# KiCad board alpha29.kicad_pcb
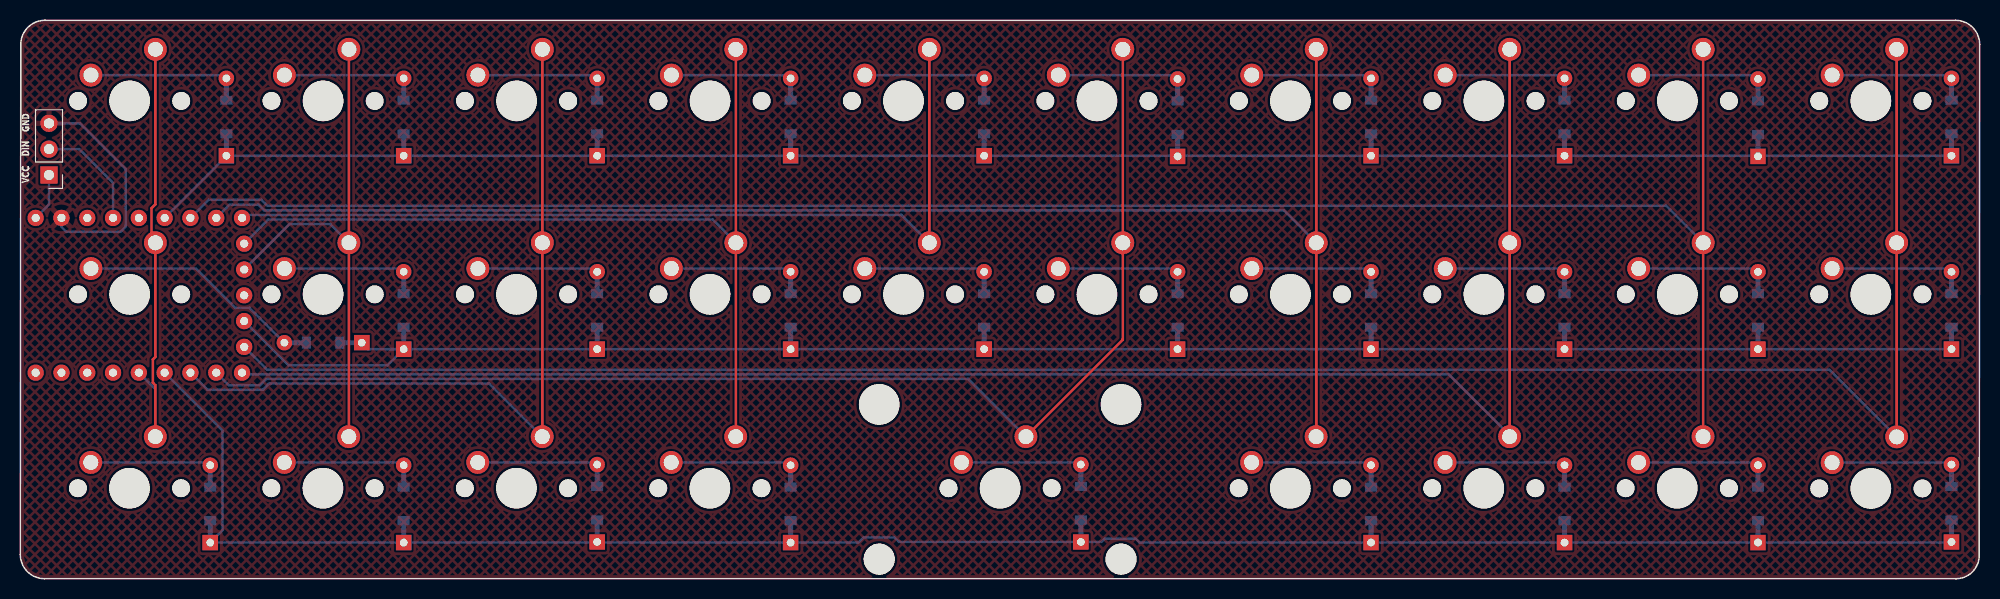
[diagram p0: board, top side]
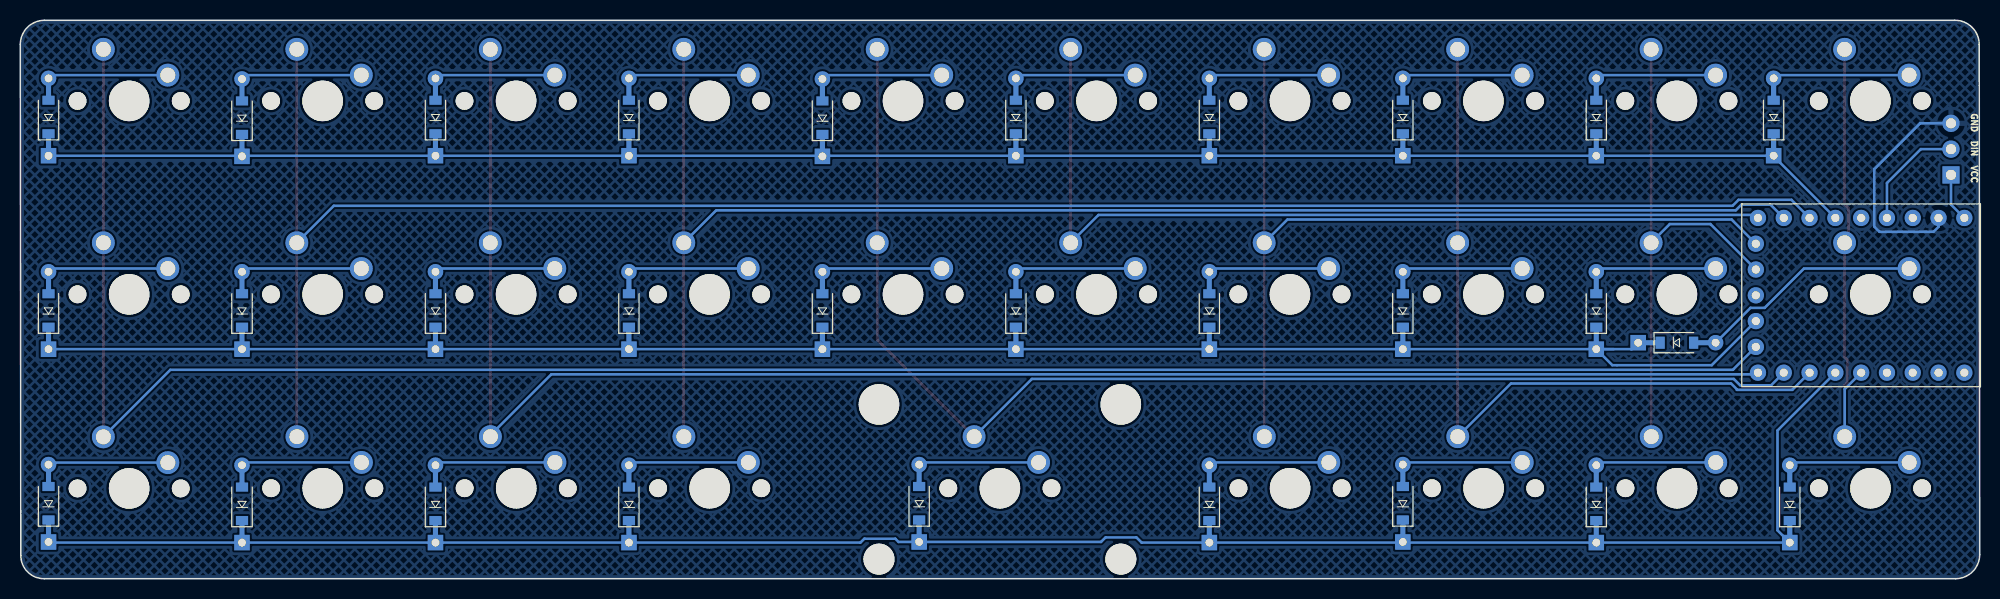
[diagram p1: board, bottom side, seen from below]

Outline 192.93 x 54.99 mm; copper layers: Top, Bottom. Coordinates in mm from the lower left corner of the outline.
Outline path: 0.05,52.61 0,2.38 arc(0.7,0.7) 2.38,0 190.6,0 arc(192.21,0.67) 192.88,2.29 192.93,52.61 arc(192.23,54.29) 190.55,54.99 2.43,54.99 arc(0.75,54.29) 0.05,52.61

## Placement (name value [footprint] x y rotation side)
D1  D  [ComboDiode]  20.29 45.47 90 top
D2  D  [ComboDiode]  37.75 45.47 90 top
D3  D  [ComboDiode]  56.8 45.47 90 top
D4  D  [ComboDiode]  75.85 45.47 90 top
D5  D  [ComboDiode]  94.9 45.47 90 top
D6  D  [ComboDiode]  113.95 45.4 90 top
D7  D  [ComboDiode]  133 45.47 90 top
D8  D  [ComboDiode]  152.05 45.47 90 top
D9  D  [ComboDiode]  171.1 45.4 90 top
D10  D  [ComboDiode]  190.15 45.47 90 top
D11  D  [ComboDiode]  29.81 23.24 180 top
D12  D  [ComboDiode]  37.75 26.42 90 top
D13  D  [ComboDiode]  56.8 26.42 90 top
D14  D  [ComboDiode]  75.85 26.42 90 top
D15  D  [ComboDiode]  94.9 26.42 90 top
D16  D  [ComboDiode]  113.95 26.42 90 top
D17  D  [ComboDiode]  133 26.42 90 top
D18  D  [ComboDiode]  152.05 26.42 90 top
D19  D  [ComboDiode]  171.1 26.42 90 top
D20  D  [ComboDiode]  190.15 26.42 90 top
D21  D  [ComboDiode]  18.7 7.37 90 top
D22  D  [ComboDiode]  37.75 7.37 90 top
D23  D  [ComboDiode]  56.8 7.43 90 top
D24  D  [ComboDiode]  75.85 7.37 90 top
D25  D  [ComboDiode]  104.43 7.43 90 top
D26  D  [ComboDiode]  133 7.37 90 top
D27  D  [ComboDiode]  152.05 7.37 90 top
D28  D  [ComboDiode]  171.1 7.37 90 top
D29  D  [ComboDiode]  190.15 7.43 90 top
J1  Conn_01x03  [Pin_Header_Straight_1x03_Pitch2.54mm]  2.83 39.77 180 top
K1  KEYSW  [MXOnly-1U-NoLED]  10.76 47.05 0 top
K2  KEYSW  [MXOnly-1U-NoLED]  29.81 47.05 0 top
K3  KEYSW  [MXOnly-1U-NoLED]  48.86 47.05 0 top
K4  KEYSW  [MXOnly-1U-NoLED]  67.91 47.05 0 top
K5  KEYSW  [MXOnly-1U-NoLED]  86.96 47.05 0 top
K6  KEYSW  [MXOnly-1U-NoLED]  106.01 47.05 0 top
K7  KEYSW  [MXOnly-1U-NoLED]  125.06 47.05 0 top
K8  KEYSW  [MXOnly-1U-NoLED]  144.11 47.05 0 top
K9  KEYSW  [MXOnly-1U-NoLED]  163.16 47.05 0 top
K10  KEYSW  [MXOnly-1U-NoLED]  182.21 47.05 0 top
K11  KEYSW  [MXOnly-1U-NoLED]  10.76 28 0 top
K12  KEYSW  [MXOnly-1U-NoLED]  29.81 28 0 top
K13  KEYSW  [MXOnly-1U-NoLED]  48.86 28 0 top
K14  KEYSW  [MXOnly-1U-NoLED]  67.91 28 0 top
K15  KEYSW  [MXOnly-1U-NoLED]  86.96 28 0 top
K16  KEYSW  [MXOnly-1U-NoLED]  106.01 28 0 top
K17  KEYSW  [MXOnly-1U-NoLED]  125.06 28 0 top
K18  KEYSW  [MXOnly-1U-NoLED]  144.11 28 0 top
K19  KEYSW  [MXOnly-1U-NoLED]  163.16 28 0 top
K20  KEYSW  [MXOnly-1U-NoLED]  182.21 28 0 top
K21  KEYSW  [MXOnly-1U-NoLED]  10.75 8.91 0 top
K22  KEYSW  [MXOnly-1U-NoLED]  29.8 8.91 0 top
K23  KEYSW  [MXOnly-1U-NoLED]  48.85 8.91 0 top
K24  KEYSW  [MXOnly-1U-NoLED]  67.9 8.91 0 top
K25  KEYSW  [MXOnly-2U-ReversedStabilizers-NoLED]  96.48 8.91 0 top
K26  KEYSW  [MXOnly-1U-NoLED]  125.05 8.91 0 top
K27  KEYSW  [MXOnly-1U-NoLED]  144.1 8.91 0 top
K28  KEYSW  [MXOnly-1U-NoLED]  163.15 8.91 0 top
K29  KEYSW  [MXOnly-1U-NoLED]  182.21 8.89 0 top
RZ1  -  [RP2040-Zero]  23.42 36.91 270 bottom

## Footprints (pads in the part's own frame, mm; a bottom-side part is the same pattern mirrored in y, then rotated)
ComboDiode
  rect 1.524x1.524 hole 0.762: 1(-3.81,0)
  rect 1.524x0.5 smd far side: 1(-2.54,0) 2(2.54,0)
  rect 0.9x1.2 smd far side: 1(-1.65,0) 2(1.65,0)
  round 1.524 hole 0.762: 2(3.81,0)
MXOnly-1U-NoLED
  round 1.75 hole 1.75 unplated: (-5.08,0) (5.08,0)
  round 3.988 hole 3.988 unplated: (0,0)
  round 2.25 hole 1.47: 1(-3.81,2.54) 2(2.54,5.08)
MXOnly-2U-ReversedStabilizers-NoLED
  round 3.988 hole 3.988 unplated: (-11.906,8.255) (0,0) (11.906,8.255)
  round 3.048 hole 3.048 unplated: (-11.906,-6.985) (11.906,-6.985)
  round 1.75 hole 1.75 unplated: (-5.08,0) (5.08,0)
  round 2.25 hole 1.47: 1(-3.81,2.54) 2(2.54,5.08)
Pin_Header_Straight_1x03_Pitch2.54mm
  rect 1.7x1.7 hole 1: 1(0,0)
  oval 1.7x1.7 hole 1: 2(0,-2.54) 3(0,-5.08)
RP2040-Zero
  round 1.6 hole 0.8: 1(16.62,21.91) 2(16.62,19.37) 3(16.62,16.83) 4(16.62,14.29) 5(16.62,11.75) 6(16.62,9.21) 7(16.62,6.67) 8(16.62,4.13) 9(16.62,1.59) 10(14.08,1.38) 11(11.54,1.38) 12(9,1.38) 13(6.46,1.38) 14(3.92,1.38) 15(1.38,1.59) 16(1.38,4.13) 17(1.38,6.67) 18(1.38,9.21) 19(1.38,11.75) 20(1.38,14.29) 21(1.38,16.83) 22(1.38,21.91) 23(1.38,19.37)

## Nets
+3V3: RZ1.21
+5V: J1.1 RZ1.22
GND: J1.3 RZ1.23
/col0: K1.2 K11.2 K21.2 RZ1.5
/col1: K2.2 K12.2 K22.2 RZ1.13
/col2: K3.2 K13.2 K23.2 RZ1.7
/col3: K4.2 K14.2 K24.2 RZ1.14
/col4: K5.2 K15.2 RZ1.15
/col5: K6.2 K16.2 K25.2 RZ1.8
/col6: K7.2 K17.2 K26.2 RZ1.16
/col7: K8.2 K18.2 K27.2 RZ1.9
/col8: K9.2 K19.2 K28.2 RZ1.17
/col9: K10.2 K20.2 K29.2 RZ1.10
/row0: D1.1 D2.1 D3.1 D4.1 D5.1 D6.1 D7.1 D8.1 D9.1 D10.1 RZ1.18
/row1: D11.1 D12.1 D13.1 D14.1 D15.1 D16.1 D17.1 D18.1 D19.1 D20.1 RZ1.11
/row2: D21.1 D22.1 D23.1 D24.1 D25.1 D26.1 D27.1 D28.1 D29.1 RZ1.6
RGB: J1.2 RZ1.20
Net-(D1-Pad2): D1.2 K1.1
Net-(D2-Pad2): D2.2 K2.1
Net-(D3-Pad2): D3.2 K3.1
Net-(D4-Pad2): D4.2 K4.1
Net-(D5-Pad2): D5.2 K5.1
Net-(D6-Pad2): D6.2 K6.1
Net-(D7-Pad2): D7.2 K7.1
Net-(D8-Pad2): D8.2 K8.1
Net-(D9-Pad2): D9.2 K9.1
Net-(D10-Pad2): D10.2 K10.1
Net-(D11-Pad2): D11.2 K11.1
Net-(D12-Pad2): D12.2 K12.1
Net-(D13-Pad2): D13.2 K13.1
Net-(D14-Pad2): D14.2 K14.1
Net-(D15-Pad2): D15.2 K15.1
Net-(D16-Pad2): D16.2 K16.1
Net-(D17-Pad2): D17.2 K17.1
Net-(D18-Pad2): D18.2 K18.1
Net-(D19-Pad2): D19.2 K19.1
Net-(D20-Pad2): D20.2 K20.1
Net-(D21-Pad2): D21.2 K21.1
Net-(D22-Pad2): D22.2 K22.1
Net-(D23-Pad2): D23.2 K23.1
Net-(D24-Pad2): D24.2 K24.1
Net-(D25-Pad2): D25.2 K25.1
Net-(D26-Pad2): D26.2 K26.1
Net-(D27-Pad2): D27.2 K27.1
Net-(D28-Pad2): D28.2 K28.1
Net-(D29-Pad2): D29.2 K29.1

Pads without a net: RZ1 1 2 3 4 12 19

## Routing (per net, layer and track width the routed paths; a pad name or vN(x,y) marks a point on that pad's centre or on a via; arc(x,y) is an arc through that point)
+5V: length 4.8
  Bottom w0.25: RZ1.22 2.83,36.84 J1.1
GND: length 22.7
  Bottom w0.25: J1.3 5.86,44.85 10.38,40.32 10.38,34.67 9.87,34.16 4.54,34.16 4.05,34.65 RZ1.23
/col0: length 45.6
  Top w0.25: K21.2 13.29,19.06 13.05,19.3 13.05,21.59 13.3,21.84 K11.2 12.92,33.46 12.92,36.49 13.3,36.87 K1.2
  Bottom w0.25: K21.2 13.29,18.67 RZ1.5
/col1: length 51.1
  Top w0.25: K2.2 32.35,14
  Bottom w0.25: K12.2 30.51,34.93 26.52,34.93 RZ1.13
/col2: length 75.9
  Top w0.25: K3.2 K13.2 51.4,14 K23.2
  Bottom w0.25: RZ1.7 18.44,18.6 23.91,18.6 23.91,18.66 24.48,19.22 46.16,19.22 K23.2
/col3: length 88.5
  Top w0.25: K4.2 70.45,14 K24.2
  Bottom w0.25: RZ1.14 24.43,35.38 68.16,35.38 K14.2
/col4: length 88
  Top w0.25: K5.2 K15.2
  Bottom w0.25: K15.2 86.76,35.83 22.13,35.83 RZ1.15
/col5: length 124.9
  Top w0.25: K6.2 K16.2 108.55,23.53 K25.2
  Bottom w0.25: RZ1.8 20.53,19.05 23.59,19.05 24.21,19.67 93.32,19.67 99.01,13.99 K25.2
/col6: length 148.6
  Top w0.25: K7.2 127.6,14 K26.2
  Bottom w0.25: K17.2 124.41,36.28 24.02,36.28 23.46,36.83 20.59,36.83 RZ1.16
/col7: length 165.6
  Top w0.25: K8.2 146.65,14 K27.2
  Bottom w0.25: K27.2 146.64,14.12 140.64,20.12 22,20.12 RZ1.9
/col8: length 189.6
  Top w0.25: K9.2 165.7,14 K28.2
  Bottom w0.25: RZ1.17 18.54,37.31 23.74,37.31 24.33,36.73 162.06,36.73 K19.2
/col9: length 204.5
  Top w0.25: K10.2 K29.2
  Bottom w0.25: K29.2 178.15,20.57 24.3,20.57 RZ1.10
/row0: length 178.5
  Bottom w0.25: RZ1.18 20.29,41.61 D1.1 D10.1
/row1: length 176.7
  Bottom w0.25: D12.1 36.17,21.02 26.39,21.02 RZ1.11 ; D12.1 36.04,22.61 ; D12.1 34.26,22.61 D11.1 ; D12.1 D13.1 D20.1
/row2: length 191.7
  Bottom w0.25: 190.09,3.56 D26.1 110.2,3.56 109.82,3.94 106.78,3.94 106.46,3.62 D25.1 86.52,3.62 86.07,4.06 83.03,4.06 82.52,3.56 D24.1 D21.1 19.91,4.76 19.91,14.59 RZ1.6
RGB: length 11.1
  Bottom w0.25: RZ1.20 9.13,38.97 5.8,42.31 J1.2
Net-(D1-Pad2): length 13.5
  Bottom w0.25: K1.1 19.97,49.59 D1.2
Net-(D2-Pad2): length 11.9
  Bottom w0.25: K2.1 37.43,49.59 D2.2
Net-(D3-Pad2): length 11.9
  Bottom w0.25: K3.1 56.48,49.59 D3.2
Net-(D4-Pad2): length 11.9
  Bottom w0.25: K4.1 75.53,49.59 D4.2
Net-(D5-Pad2): length 11.9
  Bottom w0.25: K5.1 94.58,49.59 D5.2
Net-(D6-Pad2): length 11.9
  Bottom w0.25: D6.2 113.57,49.59 K6.1
Net-(D7-Pad2): length 11.9
  Bottom w0.25: K7.1 132.68,49.59 D7.2
Net-(D8-Pad2): length 11.9
  Bottom w0.25: K8.1 151.73,49.59 D8.2
Net-(D9-Pad2): length 11.9
  Bottom w0.25: K9.1 170.72,49.59 D9.2
Net-(D10-Pad2): length 11.9
  Bottom w0.25: K10.1 189.83,49.59 D10.2
Net-(D11-Pad2): length 22.1
  Bottom w0.25: D11.2 22.57,26.67 21.18,26.67 17.3,30.54 K11.1
Net-(D12-Pad2): length 11.9
  Bottom w0.25: K12.1 37.43,30.54 37.75,30.23
Net-(D13-Pad2): length 11.9
  Bottom w0.25: K13.1 56.48,30.54 56.8,30.23
Net-(D14-Pad2): length 11.9
  Bottom w0.25: K14.1 75.53,30.54 75.85,30.23
Net-(D15-Pad2): length 11.9
  Bottom w0.25: K15.1 94.58,30.54 94.9,30.23
Net-(D16-Pad2): length 11.9
  Bottom w0.25: K16.1 113.63,30.54 113.95,30.23
Net-(D17-Pad2): length 11.9
  Bottom w0.25: 133,30.23 132.68,30.54 K17.1
Net-(D18-Pad2): length 11.9
  Bottom w0.25: K18.1 151.73,30.54 152.05,30.23
Net-(D19-Pad2): length 11.9
  Bottom w0.25: K19.1 170.78,30.54 171.1,30.23
Net-(D20-Pad2): length 11.9
  Bottom w0.25: K20.1 189.83,30.54 190.15,30.23
Net-(D21-Pad2): length 11.9
  Bottom w0.25: D21.2 18.43,11.45 K21.1
Net-(D22-Pad2): length 11.9
  Bottom w0.25: K22.1 37.48,11.45 D22.2
Net-(D23-Pad2): length 11.8
  Bottom w0.25: K23.1 56.59,11.45 D23.2
Net-(D24-Pad2): length 11.9
  Bottom w0.25: D24.2 75.58,11.45 K24.1
Net-(D25-Pad2): length 11.8
  Bottom w0.25: D25.2 104.21,11.45 K25.1
Net-(D26-Pad2): length 11.9
  Bottom w0.25: D26.2 132.73,11.45 K26.1
Net-(D27-Pad2): length 11.9
  Bottom w0.25: K27.1 151.78,11.45 D27.2
Net-(D28-Pad2): length 11.9
  Bottom w0.25: D28.2 170.83,11.45 K28.1
Net-(D29-Pad2): length 11.8
  Bottom w0.25: D29.2 189.96,11.43 K29.1

## Copper pours and planes (outline as drawn; the poured copper is in the pictures)
GND on Top, Bottom: 201.9,65.53 201.9,-4.83 -7.78,-5.08 -6,65.79

## Text on the board
B.Silkscreen: GND | DIN | VCC
User.Comments: add rotary encoder because lots of pins left? or use smaller mcu?
F.Silkscreen: GND | DIN | VCC
